# Allegro board arena_12-12_v5.brd (continued)
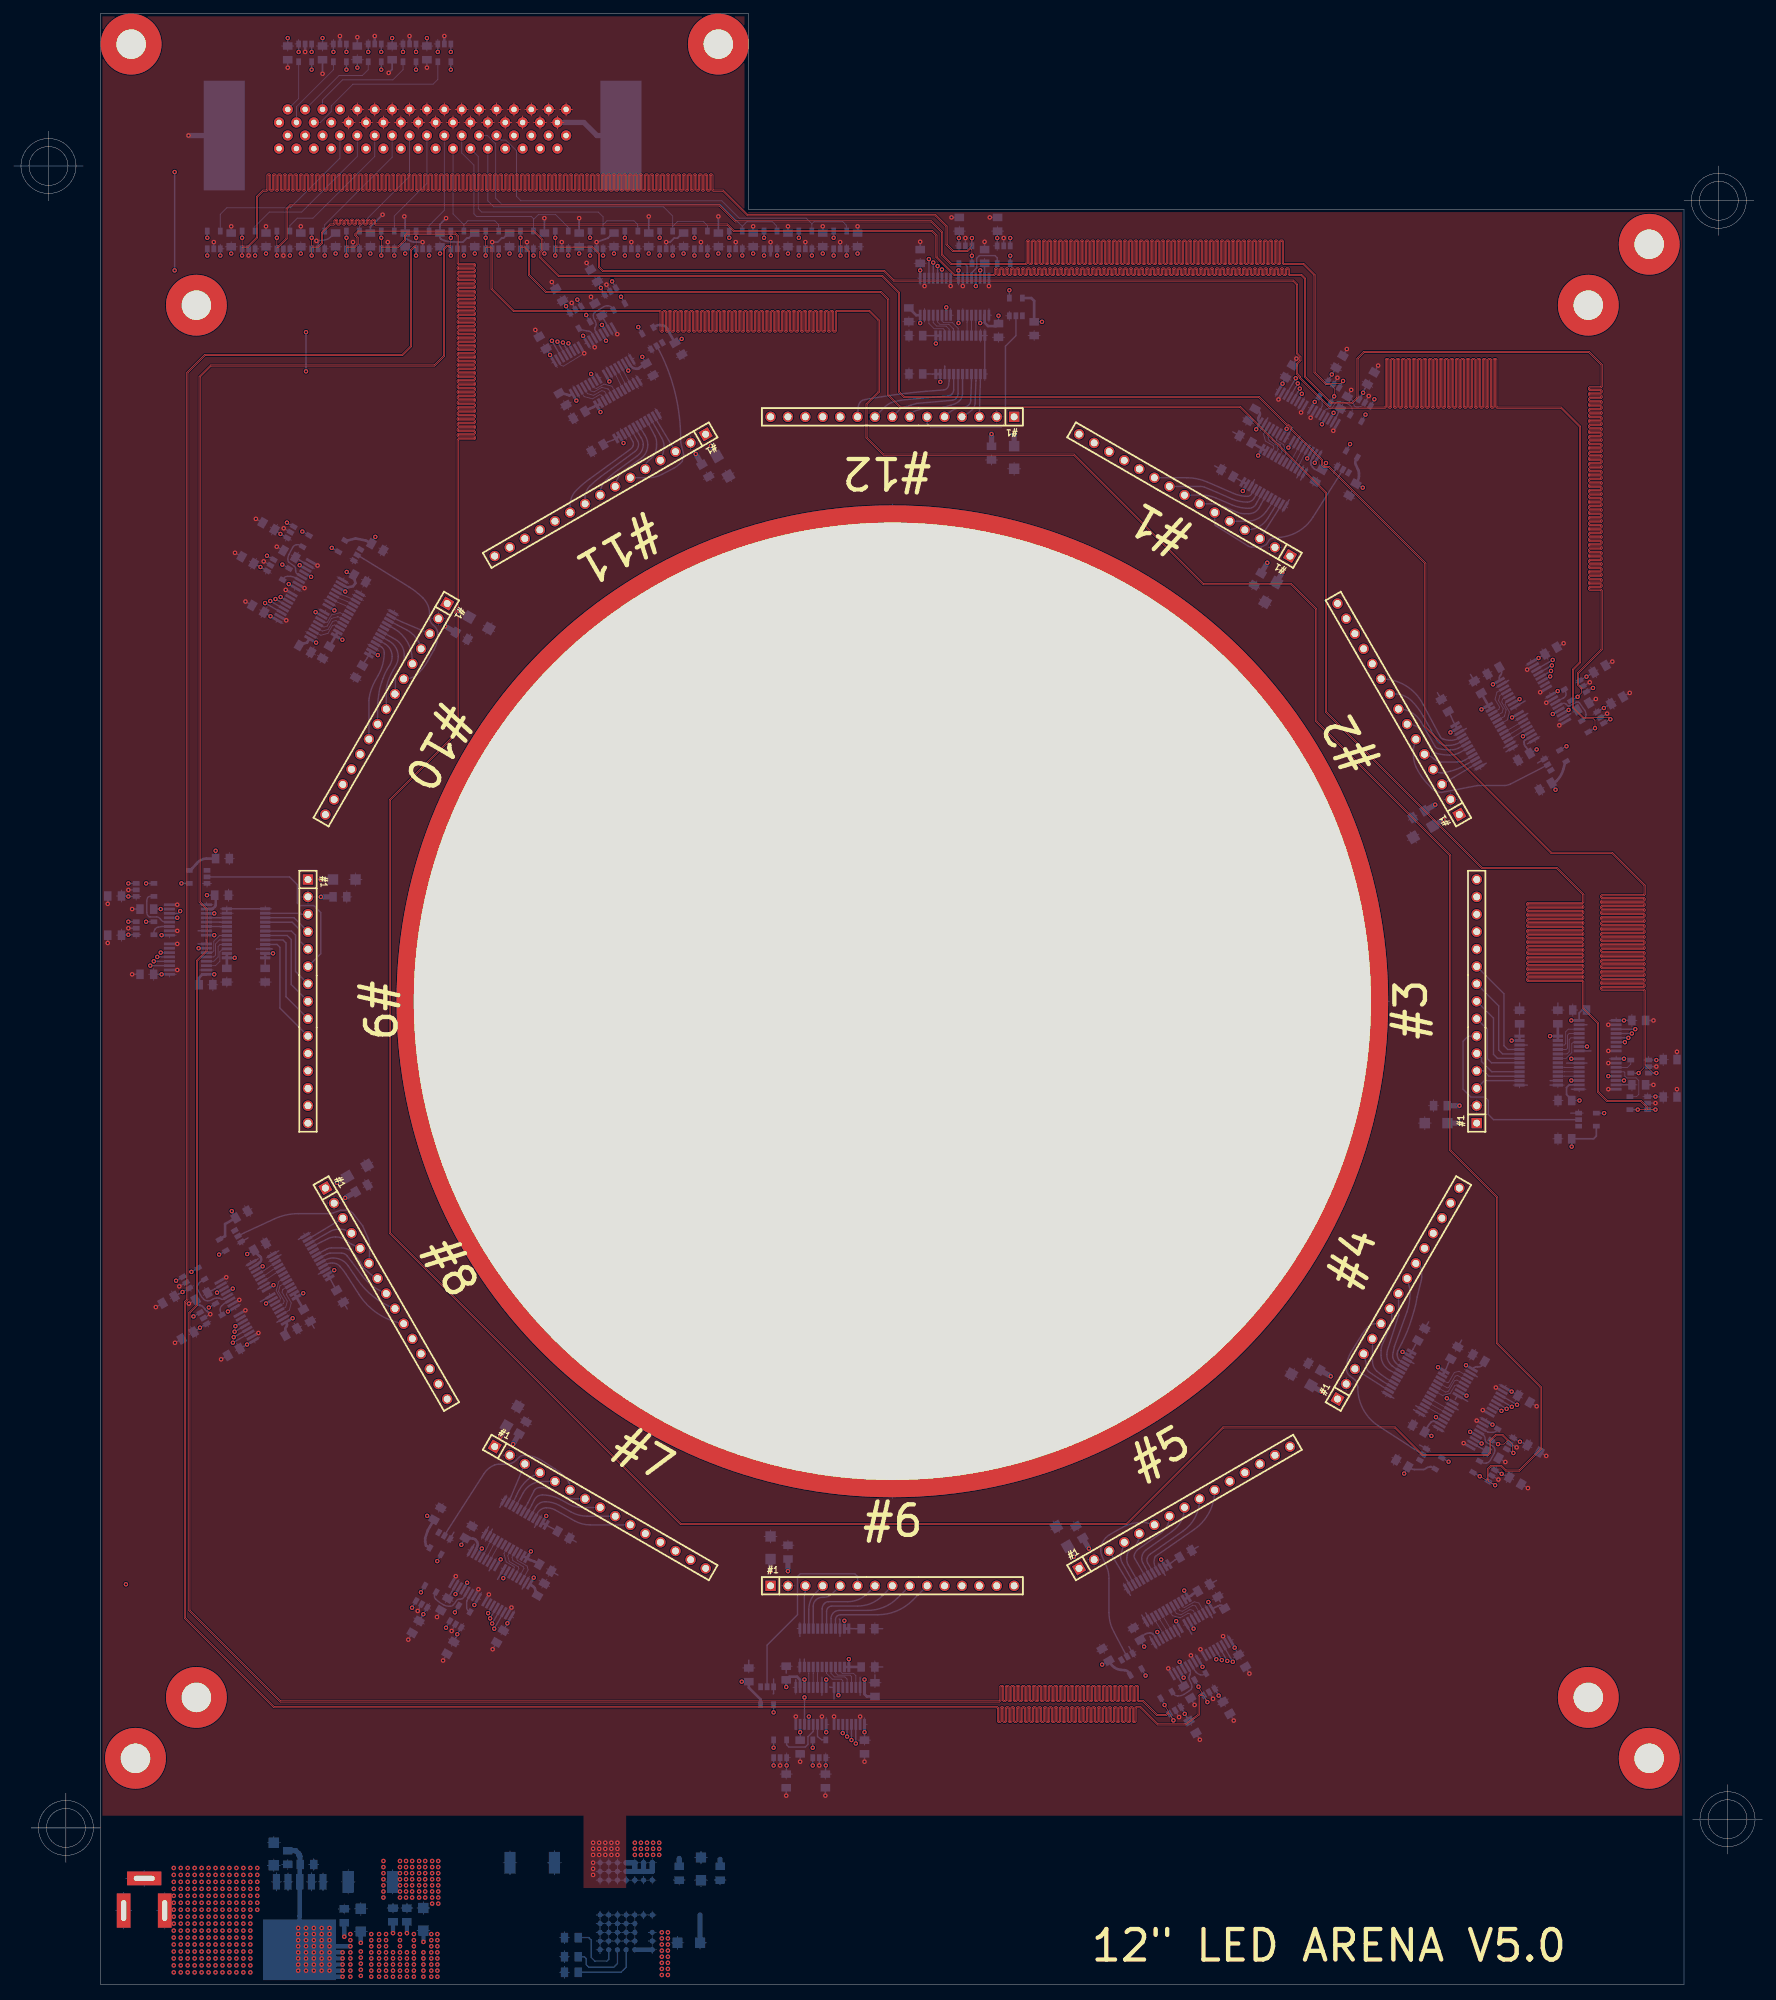
[diagram p0: board, top side]
## Routing (per net, layer and track width the routed paths; a pad name or vN(x,y) marks a point on that pad's centre or on a via; arc(x,y) is an arc through that point) (continued)
  BOTTOM w0.203: U87.4 v1(33.34,254.95) ; U88.3 v1(139.89,254.91)
M7_N: length 501.3
  TOP w0.089: v1(38.42,252.36) 38.42,253.48 38.51,253.57 38.71,253.57 39.93,254.78 39.93,259.13 40.38,259.59 103,259.59 105.34,257.25 133.91,257.25 135.46,255.7 135.46,252.4 136.83,251.03 147.8,251.03 147.97,251.2 147.97,254.39 148.03,254.46 148.12,254.46 148.18,254.39 148.18,251.2 148.35,251.03 148.59,251.03 148.76,251.2 148.76,254.39 148.82,254.46 148.91,254.46 148.97,254.39 148.97,251.2 149.14,251.03 149.37,251.03 149.54,251.2 149.54,254.39 149.61,254.46 149.69,254.46 149.76,254.39 149.76,251.2 149.93,251.03 150.16,251.03 150.33,251.2 150.33,254.39 150.39,254.46 150.48,254.46 150.55,254.39 150.55,251.2 150.71,251.03 150.95,251.03 151.12,251.2 151.12,254.39 151.18,254.46 151.27,254.46 151.33,254.39 151.33,251.2 151.5,251.03 151.74,251.03 151.9,251.2 151.9,254.39 151.97,254.46 152.06,254.46 152.12,254.39 152.12,251.2 152.29,251.03 152.52,251.03 152.69,251.2 152.69,254.39 152.76,254.46 152.84,254.46 152.91,254.39 152.91,251.2 153.08,251.03 153.31,251.03 153.48,251.2 153.48,254.39 153.54,254.46 153.63,254.46 153.7,254.39 153.7,251.2 153.86,251.03 154.1,251.03 154.27,251.2 154.27,254.39 154.33,254.46 154.42,254.46 154.48,254.39 154.48,251.2 154.65,251.03 154.89,251.03 155.05,251.2 155.05,254.39 155.12,254.46 155.21,254.46 155.27,254.39 155.27,251.2 155.44,251.03 155.67,251.03 155.84,251.2 155.84,254.39 155.91,254.46 155.99,254.46 156.06,254.39 156.06,251.2 156.23,251.03 156.46,251.03 156.63,251.2 156.63,254.39 156.69,254.46 156.78,254.46 156.84,254.39 156.84,251.2 157.01,251.03 157.25,251.03 157.42,251.2 157.42,254.39 157.48,254.46 157.57,254.46 157.63,254.39 157.63,251.2 157.8,251.03 158.04,251.03 158.2,251.2 158.2,254.39 158.27,254.46 158.36,254.46 158.42,254.39 158.42,251.2 158.59,251.03 158.82,251.03 158.99,251.2 158.99,254.39 159.05,254.46 159.14,254.46 159.21,254.39 159.21,251.2 159.37,251.03 159.61,251.03 159.78,251.2 159.78,254.39 159.84,254.46 159.93,254.46 159.99,254.39 159.99,251.2 160.16,251.03 160.4,251.03 160.57,251.2 160.57,254.39 160.63,254.46 160.72,254.46 160.78,254.39 160.78,251.2 160.95,251.03 161.19,251.03 161.35,251.2 161.35,254.39 161.42,254.46 161.51,254.46 161.57,254.39 161.57,251.2 161.74,251.03 161.97,251.03 162.14,251.2 162.14,254.39 162.2,254.46 162.29,254.46 162.36,254.39 162.36,251.2 162.52,251.03 162.76,251.03 162.93,251.2 162.93,254.39 162.99,254.46 163.08,254.46 163.14,254.39 163.14,251.2 163.31,251.03 163.55,251.03 163.72,251.2 163.72,254.39 163.78,254.46 163.87,254.46 163.93,254.39 163.93,251.2 164.1,251.03 164.34,251.03 164.5,251.2 164.5,254.39 164.57,254.46 164.66,254.46 164.72,254.39 164.72,251.2 164.89,251.03 165.12,251.03 165.29,251.2 165.29,254.39 165.35,254.46 165.44,254.46 165.51,254.39 165.51,251.2 165.67,251.03 165.91,251.03 166.08,251.2 166.08,254.39 166.14,254.46 166.23,254.46 166.29,254.39 166.29,251.2 166.46,251.03 166.7,251.03 166.87,251.2 166.87,254.39 166.93,254.46 167.02,254.46 167.08,254.39 167.08,251.2 167.25,251.03 167.49,251.03 167.65,251.2 167.65,254.39 167.72,254.46 167.81,254.46 167.87,254.39 167.87,251.2 168.04,251.03 168.27,251.03 168.44,251.2 168.44,254.39 168.5,254.46 168.59,254.46 168.66,254.39 168.66,251.2 168.82,251.03 169.06,251.03 169.23,251.2 169.23,254.39 169.29,254.46 169.38,254.46 169.44,254.39 169.44,251.2 169.61,251.03 169.85,251.03 170.01,251.2 170.01,254.39 170.08,254.46 170.17,254.46 170.23,254.39 170.23,251.2 170.4,251.03 170.63,251.03 170.8,251.2 170.8,254.39 170.87,254.46 170.95,254.46 171.02,254.39 171.02,251.2 171.19,251.03 171.42,251.03 171.59,251.2 171.59,254.39 171.65,254.46 171.74,254.46 171.81,254.39 171.81,251.2 171.97,251.03 172.21,251.03 172.38,251.2 172.38,254.39 172.44,254.46 172.53,254.46 172.59,254.39 172.59,251.2 172.76,251.03 173,251.03 173.16,251.2 173.16,254.39 173.23,254.46 173.32,254.46 173.38,254.39 173.38,251.2 173.55,251.03 173.78,251.03 173.95,251.2 173.95,254.39 174.02,254.46 174.1,254.46 174.17,254.39 174.17,251.2 174.34,251.03 174.57,251.03 174.74,251.2 174.74,254.39 174.8,254.46 174.89,254.46 174.96,254.39 174.96,251.2 175.12,251.03 175.36,251.03 175.53,251.2 175.53,254.39 175.59,254.46 175.68,254.46 175.74,254.39 175.74,251.2 175.91,251.03 176.15,251.03 176.31,251.2 176.31,254.39 176.38,254.46 176.47,254.46 176.53,254.39 176.53,251.2 176.7,251.03 176.93,251.03 177.1,251.2 177.1,254.39 177.17,254.46 177.25,254.46 177.32,254.39 177.32,251.2 177.49,251.03 177.72,251.03 177.89,251.2 177.89,254.39 177.95,254.46 178.04,254.46 178.1,254.39 178.1,251.2 178.27,251.03 178.51,251.03 178.68,251.2 178.68,254.39 178.74,254.46 178.83,254.46 178.89,254.39 178.89,251.2 179.06,251.03 179.3,251.03 179.46,251.2 179.46,254.39 179.53,254.46 179.62,254.46 179.68,254.39 179.68,251.2 179.85,251.03 180.08,251.03 180.25,251.2 180.25,254.39 180.31,254.46 180.4,254.46 180.47,254.39 180.47,251.2 180.63,251.03 180.87,251.03 181.04,251.2 181.04,254.39 181.1,254.46 181.19,254.46 181.25,254.39 181.25,251.2 181.42,251.03 181.66,251.03 181.83,251.2 181.83,254.39 181.89,254.46 181.98,254.46 182.04,254.39 182.04,251.2 182.21,251.03 182.45,251.03 182.61,251.2 182.61,254.39 182.68,254.46 182.77,254.46 182.83,254.39 182.83,251.2 183,251.03 183.23,251.03 183.4,251.2 183.4,254.39 183.46,254.46 183.55,254.46 183.62,254.39 183.62,251.2 183.78,251.03 184.02,251.03 184.19,251.2 184.19,254.39 184.25,254.46 184.34,254.46 184.4,254.39 184.4,251.2 184.57,251.03 184.81,251.03 184.98,251.2 184.98,254.39 185.04,254.46 185.13,254.46 185.19,254.39 185.19,251.2 185.36,251.03 188.27,251.03 189.81,249.48 189.81,235.26 191.57,233.5 192.28,233.5 192.77,233.01 v1(192.77,231.8)
  BOTTOM w0.203: U89.3 v1(38.42,252.36) ; 192.2,230.81 v1(192.77,231.8)
M7_P: length 501.4
  TOP w0.089: v1(38.42,254.95) 38.42,253.83 38.51,253.74 38.64,253.74 39.75,254.86 39.75,259.21 40.31,259.77 103.07,259.77 105.41,257.43 133.99,257.43 135.64,255.78 135.64,252.48 136.91,251.21 147.73,251.21 147.79,251.27 147.79,254.47 147.96,254.63 148.19,254.63 148.36,254.47 148.36,251.27 148.42,251.21 148.51,251.21 148.58,251.27 148.58,254.47 148.74,254.63 148.98,254.63 149.15,254.47 149.15,251.27 149.21,251.21 149.3,251.21 149.36,251.27 149.36,254.47 149.53,254.63 149.77,254.63 149.94,254.47 149.94,251.27 150,251.21 150.09,251.21 150.15,251.27 150.15,254.47 150.32,254.63 150.56,254.63 150.72,254.47 150.72,251.27 150.79,251.21 150.88,251.21 150.94,251.27 150.94,254.47 151.11,254.63 151.34,254.63 151.51,254.47 151.51,251.27 151.57,251.21 151.66,251.21 151.73,251.27 151.73,254.47 151.89,254.63 152.13,254.63 152.3,254.47 152.3,251.27 152.36,251.21 152.45,251.21 152.51,251.27 152.51,254.47 152.68,254.63 152.92,254.63 153.09,254.47 153.09,251.27 153.15,251.21 153.24,251.21 153.3,251.27 153.3,254.47 153.47,254.63 153.71,254.63 153.87,254.47 153.87,251.27 153.94,251.21 154.03,251.21 154.09,251.27 154.09,254.47 154.26,254.63 154.49,254.63 154.66,254.47 154.66,251.27 154.72,251.21 154.81,251.21 154.88,251.27 154.88,254.47 155.04,254.63 155.28,254.63 155.45,254.47 155.45,251.27 155.51,251.21 155.6,251.21 155.66,251.27 155.66,254.47 155.83,254.63 156.07,254.63 156.24,254.47 156.24,251.27 156.3,251.21 156.39,251.21 156.45,251.27 156.45,254.47 156.62,254.63 156.86,254.63 157.02,254.47 157.02,251.27 157.09,251.21 157.18,251.21 157.24,251.27 157.24,254.47 157.41,254.63 157.64,254.63 157.81,254.47 157.81,251.27 157.87,251.21 157.96,251.21 158.03,251.27 158.03,254.47 158.19,254.63 158.43,254.63 158.6,254.47 158.6,251.27 158.66,251.21 158.75,251.21 158.81,251.27 158.81,254.47 158.98,254.63 159.22,254.63 159.39,254.47 159.39,251.27 159.45,251.21 159.54,251.21 159.6,251.27 159.6,254.47 159.77,254.63 160,254.63 160.17,254.47 160.17,251.27 160.24,251.21 160.32,251.21 160.39,251.27 160.39,254.47 160.56,254.63 160.79,254.63 160.96,254.47 160.96,251.27 161.02,251.21 161.11,251.21 161.18,251.27 161.18,254.47 161.34,254.63 161.58,254.63 161.75,254.47 161.75,251.27 161.81,251.21 161.9,251.21 161.96,251.27 161.96,254.47 162.13,254.63 162.37,254.63 162.53,254.47 162.53,251.27 162.6,251.21 162.69,251.21 162.75,251.27 162.75,254.47 162.92,254.63 163.15,254.63 163.32,254.47 163.32,251.27 163.39,251.21 163.47,251.21 163.54,251.27 163.54,254.47 163.71,254.63 163.94,254.63 164.11,254.47 164.11,251.27 164.17,251.21 164.26,251.21 164.33,251.27 164.33,254.47 164.49,254.63 164.73,254.63 164.9,254.47 164.9,251.27 164.96,251.21 165.05,251.21 165.11,251.27 165.11,254.47 165.28,254.63 165.52,254.63 165.68,254.47 165.68,251.27 165.75,251.21 165.84,251.21 165.9,251.27 165.9,254.47 166.07,254.63 166.3,254.63 166.47,254.47 166.47,251.27 166.54,251.21 166.62,251.21 166.69,251.27 166.69,254.47 166.86,254.63 167.09,254.63 167.26,254.47 167.26,251.27 167.32,251.21 167.41,251.21 167.47,251.27 167.47,254.47 167.64,254.63 167.88,254.63 168.05,254.47 168.05,251.27 168.11,251.21 168.2,251.21 168.26,251.27 168.26,254.47 168.43,254.63 168.67,254.63 168.83,254.47 168.83,251.27 168.9,251.21 168.99,251.21 169.05,251.27 169.05,254.47 169.22,254.63 169.45,254.63 169.62,254.47 169.62,251.27 169.68,251.21 169.77,251.21 169.84,251.27 169.84,254.47 170,254.63 170.24,254.63 170.41,254.47 170.41,251.27 170.47,251.21 170.56,251.21 170.62,251.27 170.62,254.47 170.79,254.63 171.03,254.63 171.2,254.47 171.2,251.27 171.26,251.21 171.35,251.21 171.41,251.27 171.41,254.47 171.58,254.63 171.82,254.63 171.98,254.47 171.98,251.27 172.05,251.21 172.14,251.21 172.2,251.27 172.2,254.47 172.37,254.63 172.6,254.63 172.77,254.47 172.77,251.27 172.83,251.21 172.92,251.21 172.99,251.27 172.99,254.47 173.15,254.63 173.39,254.63 173.56,254.47 173.56,251.27 173.62,251.21 173.71,251.21 173.77,251.27 173.77,254.47 173.94,254.63 174.18,254.63 174.35,254.47 174.35,251.27 174.41,251.21 174.5,251.21 174.56,251.27 174.56,254.47 174.73,254.63 174.97,254.63 175.13,254.47 175.13,251.27 175.2,251.21 175.29,251.21 175.35,251.27 175.35,254.47 175.52,254.63 175.75,254.63 175.92,254.47 175.92,251.27 175.98,251.21 176.07,251.21 176.14,251.27 176.14,254.47 176.3,254.63 176.54,254.63 176.71,254.47 176.71,251.27 176.77,251.21 176.86,251.21 176.92,251.27 176.92,254.47 177.09,254.63 177.33,254.63 177.5,254.47 177.5,251.27 177.56,251.21 177.65,251.21 177.71,251.27 177.71,254.47 177.88,254.63 178.11,254.63 178.28,254.47 178.28,251.27 178.35,251.21 178.44,251.21 178.5,251.27 178.5,254.47 178.67,254.63 178.9,254.63 179.07,254.47 179.07,251.27 179.13,251.21 179.22,251.21 179.29,251.27 179.29,254.47 179.45,254.63 179.69,254.63 179.86,254.47 179.86,251.27 179.92,251.21 180.01,251.21 180.07,251.27 180.07,254.47 180.24,254.63 180.48,254.63 180.64,254.47 180.64,251.27 180.71,251.21 180.8,251.21 180.86,251.27 180.86,254.47 181.03,254.63 181.26,254.63 181.43,254.47 181.43,251.27 181.5,251.21 181.58,251.21 181.65,251.27 181.65,254.47 181.82,254.63 182.05,254.63 182.22,254.47 182.22,251.27 182.28,251.21 182.37,251.21 182.44,251.27 182.44,254.47 182.6,254.63 182.84,254.63 183.01,254.47 183.01,251.27 183.07,251.21 183.16,251.21 183.22,251.27 183.22,254.47 183.39,254.63 183.63,254.63 183.79,254.47 183.79,251.27 183.86,251.21 183.95,251.21 184.01,251.27 184.01,254.47 184.18,254.63 184.41,254.63 184.58,254.47 184.58,251.27 184.65,251.21 184.73,251.21 184.8,251.27 184.8,254.47 184.97,254.63 185.2,254.63 185.37,254.47 185.37,251.27 185.43,251.21 188.34,251.21 189.99,249.56 189.99,235.33 191.64,233.68 193.7,233.68 v1(194.07,234.05)
  BOTTOM w0.203: U89.4 v1(38.42,254.95) ; 193.49,233.06 v1(194.07,234.05)
M8_N: length 503.4
  TOP w0.089: v1(228.31,187.95) 228.85,188.5 228.85,189.11 228.3,189.66 228.3,191.46 231.72,194.89 231.72,203.44 231.66,203.5 230.04,203.5 229.87,203.67 229.87,203.91 230.04,204.07 231.66,204.07 231.72,204.14 231.72,204.23 231.66,204.29 230.04,204.29 229.87,204.46 229.87,204.69 230.04,204.86 231.66,204.86 231.72,204.92 231.72,205.01 231.66,205.08 230.04,205.08 229.87,205.24 229.87,205.48 230.04,205.65 231.66,205.65 231.72,205.71 231.72,205.8 231.66,205.86 230.04,205.86 229.87,206.03 229.87,206.27 230.04,206.44 231.66,206.44 231.72,206.5 231.72,206.59 231.66,206.65 230.04,206.65 229.87,206.82 229.87,207.06 230.04,207.22 231.66,207.22 231.72,207.29 231.72,207.38 231.66,207.44 230.04,207.44 229.87,207.61 229.87,207.84 230.04,208.01 231.66,208.01 231.72,208.07 231.72,208.16 231.66,208.23 230.04,208.23 229.87,208.39 229.87,208.63 230.04,208.8 231.66,208.8 231.72,208.86 231.72,208.95 231.66,209.01 230.04,209.01 229.87,209.18 229.87,209.42 230.04,209.59 231.66,209.59 231.72,209.65 231.72,209.74 231.66,209.8 230.04,209.8 229.87,209.97 229.87,210.21 230.04,210.37 231.66,210.37 231.72,210.44 231.72,210.53 231.66,210.59 230.04,210.59 229.87,210.76 229.87,210.99 230.04,211.16 231.66,211.16 231.72,211.22 231.72,211.31 231.66,211.38 230.04,211.38 229.87,211.54 229.87,211.78 230.04,211.95 231.66,211.95 231.72,212.01 231.72,212.1 231.66,212.16 230.04,212.16 229.87,212.33 229.87,212.57 230.04,212.74 231.66,212.74 231.72,212.8 231.72,212.89 231.66,212.95 230.04,212.95 229.87,213.12 229.87,213.35 230.04,213.52 231.66,213.52 231.72,213.59 231.72,213.67 231.66,213.74 230.04,213.74 229.87,213.91 229.87,214.14 230.04,214.31 231.66,214.31 231.72,214.37 231.72,214.46 231.66,214.53 230.04,214.53 229.87,214.69 229.87,214.93 230.04,215.1 231.66,215.1 231.72,215.16 231.72,215.25 231.66,215.31 230.04,215.31 229.87,215.48 229.87,215.72 230.04,215.88 231.66,215.88 231.72,215.95 231.72,216.04 231.66,216.1 230.04,216.1 229.87,216.27 229.87,216.5 230.04,216.67 231.66,216.67 231.72,216.74 231.72,216.82 231.66,216.89 230.04,216.89 229.87,217.06 229.87,217.29 230.04,217.46 231.66,217.46 231.72,217.52 231.72,217.61 231.66,217.68 230.04,217.68 229.87,217.84 229.87,218.08 230.04,218.25 231.66,218.25 231.72,218.31 231.72,218.4 231.66,218.46 230.04,218.46 229.87,218.63 229.87,218.87 230.04,219.03 231.66,219.03 231.72,219.1 231.72,219.19 231.66,219.25 230.04,219.25 229.87,219.42 229.87,219.65 230.04,219.82 231.66,219.82 231.72,219.89 231.72,219.97 231.66,220.04 230.04,220.04 229.87,220.21 229.87,220.44 230.04,220.61 231.66,220.61 231.72,220.67 231.72,220.76 231.66,220.83 230.04,220.83 229.87,220.99 229.87,221.23 230.04,221.4 231.66,221.4 231.72,221.46 231.72,221.55 231.66,221.61 230.04,221.61 229.87,221.78 229.87,222.02 230.04,222.18 231.66,222.18 231.72,222.25 231.72,222.34 231.66,222.4 230.04,222.4 229.87,222.57 229.87,222.8 230.04,222.97 231.66,222.97 231.72,223.03 231.72,223.12 231.66,223.19 230.04,223.19 229.87,223.35 229.87,223.59 230.04,223.76 231.66,223.76 231.72,223.82 231.72,223.91 231.66,223.97 230.04,223.97 229.87,224.14 229.87,224.38 230.04,224.55 231.66,224.55 231.72,224.61 231.72,224.7 231.66,224.76 230.04,224.76 229.87,224.93 229.87,225.17 230.04,225.33 231.66,225.33 231.72,225.4 231.72,225.49 231.66,225.55 230.04,225.55 229.87,225.72 229.87,225.95 230.04,226.12 231.66,226.12 231.72,226.18 231.72,226.27 231.66,226.34 230.04,226.34 229.87,226.5 229.87,226.74 230.04,226.91 231.66,226.91 231.72,226.97 231.72,227.06 231.66,227.12 230.04,227.12 229.87,227.29 229.87,227.53 230.04,227.7 231.66,227.7 231.72,227.76 231.72,227.85 231.66,227.91 230.04,227.91 229.87,228.08 229.87,228.32 230.04,228.48 231.66,228.48 231.72,228.55 231.72,228.64 231.66,228.7 230.04,228.7 229.87,228.87 229.87,229.1 230.04,229.27 231.66,229.27 231.72,229.33 231.72,229.42 231.66,229.49 230.04,229.49 229.87,229.65 229.87,229.89 230.04,230.06 231.66,230.06 231.72,230.12 231.72,230.21 231.66,230.27 230.04,230.27 229.87,230.44 229.87,230.68 230.04,230.85 231.66,230.85 231.72,230.91 231.72,231 231.66,231.06 230.04,231.06 229.87,231.23 229.87,231.47 230.04,231.63 231.66,231.63 231.72,231.7 231.72,231.79 231.66,231.85 230.04,231.85 229.87,232.02 229.87,232.25 230.04,232.42 231.66,232.42 231.72,232.48 231.72,232.57 231.66,232.64 230.04,232.64 229.87,232.8 229.87,233.04 230.04,233.21 231.66,233.21 231.72,233.27 231.72,236.4 229.92,238.2 197.18,238.2 196.27,237.29 196.27,231.57 195.4,230.71 192.33,230.71 188.42,234.62 188.42,248.97 187.96,249.43 186.22,249.43 186.05,249.6 186.05,250.33 185.98,250.39 185.89,250.39 185.83,250.33 185.83,249.6 185.66,249.43 185.43,249.43 185.26,249.6 185.26,250.33 185.2,250.39 185.11,250.39 185.04,250.33 185.04,249.6 184.88,249.43 184.64,249.43 184.47,249.6 184.47,250.33 184.41,250.39 184.32,250.39 184.26,250.33 184.26,249.6 184.09,249.43 183.85,249.43 183.69,249.6 183.69,250.33 183.62,250.39 183.53,250.39 183.47,250.33 183.47,249.6 183.3,249.43 183.07,249.43 182.9,249.6 182.9,250.33 182.83,250.39 182.75,250.39 182.68,250.33 182.68,249.6 182.51,249.43 182.28,249.43 182.11,249.6 182.11,250.33 182.05,250.39 181.96,250.39 181.89,250.33 181.89,249.6 181.73,249.43 181.49,249.43 181.32,249.6 181.32,250.33 181.26,250.39 181.17,250.39 181.11,250.33 181.11,249.6 180.94,249.43 180.7,249.43 180.54,249.6 180.54,250.33 180.47,250.39 180.38,250.39 180.32,250.33 180.32,249.6 180.15,249.43 179.92,249.43 179.75,249.6 179.75,250.33 179.68,250.39 179.6,250.39 179.53,250.33 179.53,249.6 179.36,249.43 179.13,249.43 178.96,249.6 178.96,250.33 178.9,250.39 178.81,250.39 178.74,250.33 178.74,249.6 178.58,249.43 178.34,249.43 178.17,249.6 178.17,250.33 178.11,250.39 178.02,250.39 177.96,250.33 177.96,249.6 177.79,249.43 177.55,249.43 177.39,249.6 177.39,250.33 177.32,250.39 177.23,250.39 177.17,250.33 177.17,249.6 177,249.43 176.77,249.43 176.6,249.6 176.6,250.33 176.54,250.39 176.45,250.39 176.38,250.33 176.38,249.6 176.22,249.43 175.98,249.43 175.81,249.6 175.81,250.33 175.75,250.39 175.66,250.39 175.6,250.33 175.6,249.6 175.43,249.43 175.19,249.43 175.02,249.6 175.02,250.33 174.96,250.39 174.87,250.39 174.81,250.33 174.81,249.6 174.64,249.43 174.4,249.43 174.24,249.6 174.24,250.33 174.17,250.39 174.08,250.39 174.02,250.33 174.02,249.6 173.85,249.43 173.62,249.43 173.45,249.6 173.45,250.33 173.39,250.39 173.3,250.39 173.23,250.33 173.23,249.6 173.07,249.43 172.83,249.43 172.66,249.6 172.66,250.33 172.6,250.39 172.51,250.39 172.45,250.33 172.45,249.6 172.28,249.43 172.04,249.43 171.87,249.6 171.87,250.33 171.81,250.39 171.72,250.39 171.66,250.33 171.66,249.6 171.49,249.43 171.25,249.43 171.09,249.6 171.09,250.33 171.02,250.39 170.93,250.39 170.87,250.33 170.87,249.6 170.7,249.43 170.47,249.43 170.3,249.6 170.3,250.33 170.24,250.39 170.15,250.39 170.08,250.33 170.08,249.6 169.92,249.43 169.68,249.43 169.51,249.6 169.51,250.33 169.45,250.39 169.36,250.39 169.3,250.33 169.3,249.6 169.13,249.43 168.89,249.43 168.72,249.6 168.72,250.33 168.66,250.39 168.57,250.39 168.51,250.33 168.51,249.6 168.34,249.43 168.1,249.43 167.94,249.6 167.94,250.33 167.87,250.39 167.78,250.39 167.72,250.33 167.72,249.6 167.55,249.43 167.32,249.43 167.15,249.6 167.15,250.33 167.09,250.39 167,250.39 166.93,250.33 166.93,249.6 166.77,249.43 166.53,249.43 166.36,249.6 166.36,250.33 166.3,250.39 166.21,250.39 166.15,250.33 166.15,249.6 165.98,249.43 165.74,249.43 165.57,249.6 165.57,250.33 165.51,250.39 165.42,250.39 165.36,250.33 165.36,249.6 165.19,249.43 164.96,249.43 164.79,249.6 164.79,250.33 164.72,250.39 164.64,250.39 164.57,250.33 164.57,249.6 164.4,249.43 164.17,249.43 164,249.6 164,250.33 163.94,250.39 163.85,250.39 163.78,250.33 163.78,249.6 163.62,249.43 163.38,249.43 163.21,249.6 163.21,250.33 163.15,250.39 163.06,250.39 163,250.33 163,249.6 162.83,249.43 162.59,249.43 162.43,249.6 162.43,250.33 162.36,250.39 162.27,250.39 162.21,250.33 162.21,249.6 162.04,249.43 161.81,249.43 161.64,249.6 161.64,250.33 161.57,250.39 161.49,250.39 161.42,250.33 161.42,249.6 161.25,249.43 161.02,249.43 160.85,249.6 160.85,250.33 160.79,250.39 160.7,250.39 160.63,250.33 160.63,249.6 160.47,249.43 160.23,249.43 160.06,249.6 160.06,250.33 160,250.39 159.91,250.39 159.85,250.33 159.85,249.6 159.68,249.43 159.44,249.43 159.28,249.6 159.28,250.33 159.21,250.39 159.12,250.39 159.06,250.33 159.06,249.6 158.89,249.43 158.66,249.43 158.49,249.6 158.49,250.33 158.42,250.39 158.34,250.39 158.27,250.33 158.27,249.6 158.1,249.43 157.87,249.43 157.7,249.6 157.7,250.33 157.64,250.39 157.55,250.39 157.49,250.33 157.49,249.6 157.32,249.43 157.08,249.43 156.91,249.6 156.91,250.33 156.85,250.39 156.76,250.39 156.7,250.33 156.7,249.6 156.53,249.43 156.29,249.43 156.13,249.6 156.13,250.33 156.06,250.39 155.97,250.39 155.91,250.33 155.91,249.6 155.74,249.43 155.51,249.43 155.34,249.6 155.34,250.33 155.28,250.39 155.19,250.39 155.12,250.33 155.12,249.6 154.96,249.43 154.72,249.43 154.55,249.6 154.55,250.33 154.49,250.39 154.4,250.39 154.34,250.33 154.34,249.6 154.17,249.43 153.93,249.43 153.76,249.6 153.76,250.33 153.7,250.39 153.61,250.39 153.55,250.33 153.55,249.6 153.38,249.43 153.14,249.43 152.98,249.6 152.98,250.33 152.91,250.39 152.82,250.39 152.76,250.33 152.76,249.6 152.59,249.43 152.36,249.43 152.19,249.6 152.19,250.33 152.13,250.39 152.04,250.39 151.97,250.33 151.97,249.6 151.81,249.43 151.57,249.43 151.4,249.6 151.4,250.33 151.34,250.39 151.25,250.39 151.19,250.33 151.19,249.6 151.02,249.43 150.78,249.43 150.61,249.6 150.61,250.33 150.55,250.39 150.46,250.39 150.4,250.33 150.4,249.6 150.23,249.43 149.99,249.43 149.83,249.6 149.83,250.33 149.76,250.39 149.67,250.39 149.61,250.33 149.61,249.6 149.44,249.43 149.21,249.43 149.04,249.6 149.04,250.33 148.98,250.39 148.89,250.39 148.82,250.33 148.82,249.6 148.66,249.43 148.42,249.43 148.25,249.6 148.25,250.33 148.19,250.39 148.1,250.39 148.04,250.33 148.04,249.6 147.87,249.43 147.63,249.43 147.46,249.6 147.46,250.33 147.4,250.39 147.31,250.39 147.25,250.33 147.25,249.6 147.08,249.43 146.85,249.43 146.68,249.6 146.68,250.33 146.61,250.39 146.52,250.39 146.46,250.33 146.46,249.6 146.29,249.43 146.06,249.43 145.89,249.6 145.89,250.33 145.83,250.39 145.74,250.39 145.67,250.33 145.67,249.6 145.51,249.43 145.27,249.43 145.1,249.6 145.1,250.33 145.04,250.39 144.95,250.39 144.89,250.33 144.89,249.6 144.72,249.43 144.48,249.43 144.32,249.6 144.32,250.33 144.25,250.39 144.16,250.39 144.1,250.33 144.1,249.6 143.93,249.43 143.7,249.43 143.53,249.6 143.53,250.33 143.46,250.39 143.38,250.39 143.31,250.33 143.31,249.6 143.14,249.43 137.29,249.43 134.62,252.09 134.62,255.27 134.04,255.85 105.08,255.85 104.14,256.79 52.82,256.79 52.65,256.96 52.65,257.44 52.59,257.51 52.5,257.51 52.43,257.44 52.43,256.96 52.27,256.79 52.03,256.79 51.86,256.96 51.86,257.44 51.8,257.51 51.71,257.51 51.65,257.44 51.65,256.96 51.48,256.79 51.24,256.79 51.07,256.96 51.07,257.44 51.01,257.51 50.92,257.51 50.86,257.44 50.86,256.96 50.69,256.79 50.45,256.79 50.29,256.96 50.29,257.44 50.22,257.51 50.13,257.51 50.07,257.44 50.07,256.96 49.9,256.79 49.67,256.79 49.5,256.96 49.5,257.44 49.44,257.51 49.35,257.51 49.28,257.44 49.28,256.96 49.12,256.79 48.88,256.79 48.71,256.96 48.71,257.44 48.65,257.51 48.56,257.51 48.5,257.44 48.5,256.96 48.33,256.79 48.09,256.79 47.92,256.96 47.92,257.44 47.86,257.51 47.77,257.51 47.71,257.44 47.71,256.96 47.54,256.79 47.3,256.79 47.14,256.96 47.14,257.44 47.07,257.51 46.98,257.51 46.92,257.44 46.92,256.96 46.75,256.79 46.23,256.79 45.09,255.65 45.09,254.13 44.52,253.57 43.59,253.57 43.5,253.48 v1(43.5,252.36)
  BOTTOM w0.203: U92.4 v1(228.31,187.95) ; U91.3 v1(43.5,252.36)
